# Altium PCB SI941C.PcbDoc (part 1 of 3) (continued)
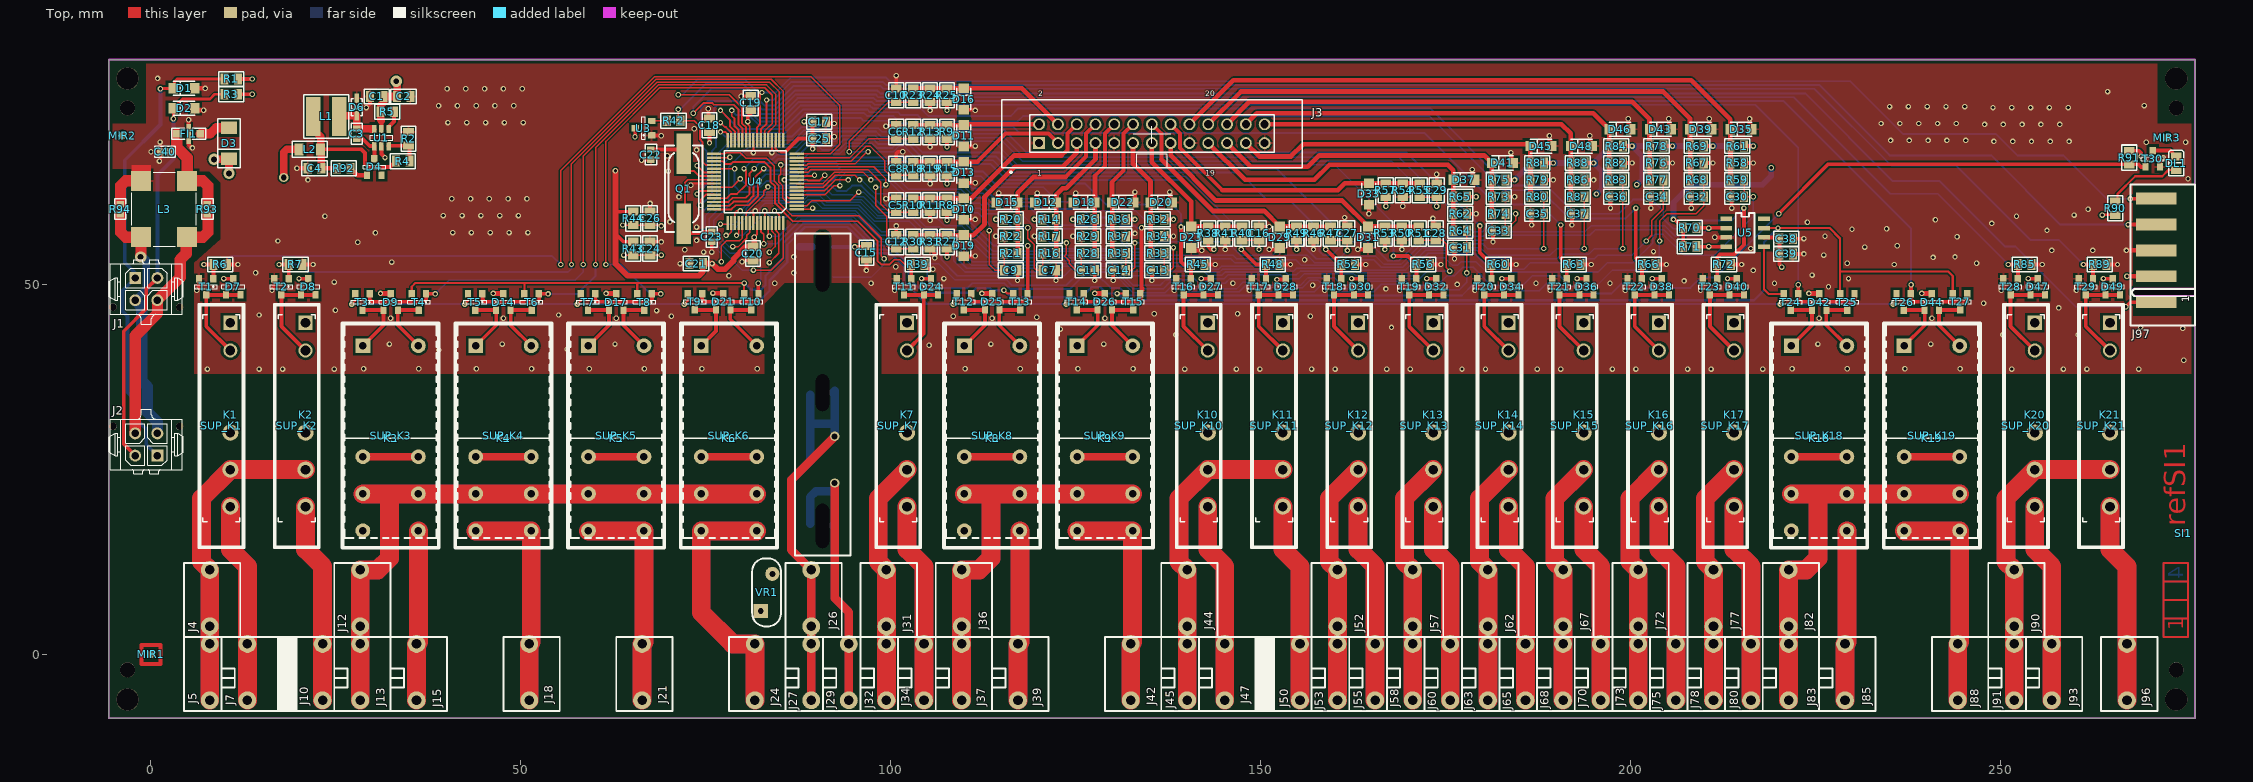
[diagram p0: Top view]
## Components (designator, comment, footprint, x,y, rotation, side; value= is the part's Value field where it differs from the comment) (continued)
K14 "RELAY_12VDC_1RT_34.51" RELAY_FINDER_34.51_+SUPPORT_93 182.245,30.88 r270 top
K15 "RELAY_12VDC_1RT_34.51" RELAY_FINDER_34.51_+SUPPORT_93 192.405,30.88 r270 top
K16 "RELAY_12VDC_1RT_34.51" RELAY_FINDER_34.51_+SUPPORT_93 202.565,30.88 r270 top
K17 "RELAY_12VDC_1RT_34.51" RELAY_FINDER_34.51_+SUPPORT_93 212.725,30.88 r270 top
K18 "RELAY_12VDC_1RT_BI_40.61.6" RELAY_FINDER_40.61_+SUPPORT_95 225.425,29.575 r0 top
K19 "RELAY_12VDC_1RT_BI_40.61.6" RELAY_FINDER_40.61_+SUPPORT_95 240.665,29.575 r0 top
K20 "RELAY_12VDC_1RT_34.51" RELAY_FINDER_34.51_+SUPPORT_93 253.365,30.88 r270 top
K21 "RELAY_12VDC_1RT_34.51" RELAY_FINDER_34.51_+SUPPORT_93 263.525,30.88 r270 top
L1 "SELF_10UH_1.19A_744043100" SELF_WE-TPC_4.8x4.78_(type4828) 23.685,72.707 r180 top
L2 "IND_FERRITE_1206_74279218" 1206_ReflowSoldering_FERRITE 21.463,68.263 r180 top
L3 "744272102" 744272102 1.778,60.198 r270 top
MIR1 "MIRE_PICK-N-PLACE" MIRE_PICK-N-PLACE_D1MM_VE3MM 0,0 r0 top
MIR2 "MIRE_PICK-N-PLACE" MIRE_PICK-N-PLACE_D1MM_VE3MM -3.873,70.104 r0 top
MIR3 "MIRE_PICK-N-PLACE" MIRE_PICK-N-PLACE_D1MM_VE3MM 272.415,69.85 r0 top
Q1 "QUARTZ_HC49/4HSMX_20M" QUARTZ_HC49_11.5X5_CMS 71.981,62.946 r270 top
R1 "RES_0805_1%_100PPM_0R" 0805_ReflowSoldering_RES 10.827,77.772 r180 top
R2 "RES_0805_1%_100PPM_9.1K" 0805_ReflowSoldering_RES 34.798,69.691 r270 top
R3 "RES_0805_1%_100PPM_0R" 0805_ReflowSoldering_RES 10.827,75.708 r180 top
R4 "RES_0805_1%_100PPM_47K" 0805_ReflowSoldering_RES 34.004,66.675 r180 top
R5 "RES_0805_1%_100PPM_10K" 0805_ReflowSoldering_RES 31.941,73.343 r180 top
R6 "RES_0805_1%_100PPM_10K" 0805_ReflowSoldering_RES 9.366,52.705 r180 top
R7 "RES_0805_1%_100PPM_10K" 0805_ReflowSoldering_RES 19.526,52.705 r180 top
R8 "RES_0805_1%_100PPM_10K" 0805_ReflowSoldering_RES 107.569,60.706 r270 top
R9 "RES_0805_1%_100PPM_10K" 0805_ReflowSoldering_RES 107.569,70.612 r270 top
R10 "RES_0805_1%_100PPM_22K" 0805_ReflowSoldering_RES 102.997,60.706 r270 top
R11 "RES_0805_1%_100PPM_6.8K" 0805_ReflowSoldering_RES 105.283,60.706 r90 top
R12 "RES_0805_1%_100PPM_22K" 0805_ReflowSoldering_RES 102.997,70.612 r270 top
R13 "RES_0805_1%_100PPM_6.8K" 0805_ReflowSoldering_RES 105.283,70.612 r90 top
R14 "RES_0805_1%_100PPM_10K" 0805_ReflowSoldering_RES 121.412,58.801 r180 top
R15 "RES_0805_1%_100PPM_10K" 0805_ReflowSoldering_RES 107.569,65.659 r270 top
R16 "RES_0805_1%_100PPM_22K" 0805_ReflowSoldering_RES 121.412,54.229 r180 top
R17 "RES_0805_1%_100PPM_6.8K" 0805_ReflowSoldering_RES 121.412,56.515 r0 top
R18 "RES_0805_1%_100PPM_22K" 0805_ReflowSoldering_RES 102.997,65.659 r270 top
R19 "RES_0805_1%_100PPM_6.8K" 0805_ReflowSoldering_RES 105.283,65.659 r90 top
R20 "RES_0805_1%_100PPM_10K" 0805_ReflowSoldering_RES 116.205,58.801 r180 top
R21 "RES_0805_1%_100PPM_22K" 0805_ReflowSoldering_RES 116.205,54.229 r180 top
R22 "RES_0805_1%_100PPM_6.8K" 0805_ReflowSoldering_RES 116.205,56.515 r0 top
R23 "RES_0805_1%_100PPM_22K" 0805_ReflowSoldering_RES 102.997,75.565 r270 top
R24 "RES_0805_1%_100PPM_6.8K" 0805_ReflowSoldering_RES 105.283,75.565 r90 top
R25 "RES_0805_1%_100PPM_10K" 0805_ReflowSoldering_RES 107.569,75.565 r270 top
R26 "RES_0805_1%_100PPM_10K" 0805_ReflowSoldering_RES 126.619,58.801 r180 top
R27 "RES_0805_1%_100PPM_10K" 0805_ReflowSoldering_RES 107.569,55.753 r270 top
R28 "RES_0805_1%_100PPM_22K" 0805_ReflowSoldering_RES 126.619,54.229 r180 top
R29 "RES_0805_1%_100PPM_6.8K" 0805_ReflowSoldering_RES 126.619,56.515 r0 top
R30 "RES_0805_1%_100PPM_22K" 0805_ReflowSoldering_RES 102.997,55.753 r270 top
R31 "RES_0805_1%_100PPM_6.8K" 0805_ReflowSoldering_RES 105.283,55.753 r90 top
R32 "RES_0805_1%_100PPM_10K" 0805_ReflowSoldering_RES 136.017,58.801 r0 top
R33 "RES_0805_1%_100PPM_22K" 0805_ReflowSoldering_RES 136.017,54.229 r0 top
R34 "RES_0805_1%_100PPM_6.8K" 0805_ReflowSoldering_RES 136.017,56.515 r180 top
R35 "RES_0805_1%_100PPM_22K" 0805_ReflowSoldering_RES 130.81,54.229 r0 top
R36 "RES_0805_1%_100PPM_10K" 0805_ReflowSoldering_RES 130.81,58.801 r0 top
R37 "RES_0805_1%_100PPM_6.8K" 0805_ReflowSoldering_RES 130.81,56.515 r180 top
R38 "RES_0805_1%_100PPM_10K" 0805_ReflowSoldering_RES 142.875,56.896 r270 top
R39 "RES_0805_1%_100PPM_10K" 0805_ReflowSoldering_RES 103.632,52.705 r180 top
R40 "RES_0805_1%_100PPM_22K" 0805_ReflowSoldering_RES 147.447,56.896 r270 top
R41 "RES_0805_1%_100PPM_6.8K" 0805_ReflowSoldering_RES 145.161,56.896 r90 top
R42 "RES_0805_1%_100PPM_1K" 0805_ReflowSoldering_RES 70.612,72.136 r0 top
R43 "RES_0805_1%_100PPM_10K" 0805_ReflowSoldering_RES 65.151,54.864 r90 top
R44 "RES_0805_1%_100PPM_10K" 0805_ReflowSoldering_RES 65.151,58.928 r90 top
R45 "RES_0805_1%_100PPM_10K" 0805_ReflowSoldering_RES 141.446,52.705 r180 top
R46 "RES_0805_1%_100PPM_6.8K" 0805_ReflowSoldering_RES 157.099,56.896 r90 top
R47 "RES_0805_1%_100PPM_22K" 0805_ReflowSoldering_RES 159.385,56.896 r270 top
R48 "RES_0805_1%_100PPM_10K" 0805_ReflowSoldering_RES 151.606,52.705 r180 top
R49 "RES_0805_1%_100PPM_10K" 0805_ReflowSoldering_RES 154.813,56.896 r270 top
R50 "RES_0805_1%_100PPM_6.8K" 0805_ReflowSoldering_RES 169.037,56.896 r90 top
R51 "RES_0805_1%_100PPM_22K" 0805_ReflowSoldering_RES 171.323,56.896 r270 top
R52 "RES_0805_1%_100PPM_10K" 0805_ReflowSoldering_RES 161.766,52.705 r180 top
R53 "RES_0805_1%_100PPM_10K" 0805_ReflowSoldering_RES 166.751,56.896 r270 top
R54 "RES_0805_1%_100PPM_6.8K" 0805_ReflowSoldering_RES 169.164,62.738 r90 top
R55 "RES_0805_1%_100PPM_22K" 0805_ReflowSoldering_RES 171.45,62.738 r270 top
R56 "RES_0805_1%_100PPM_10K" 0805_ReflowSoldering_RES 171.926,52.705 r180 top
R57 "RES_0805_1%_100PPM_10K" 0805_ReflowSoldering_RES 166.878,62.738 r270 top
R58 "RES_0805_1%_100PPM_6.8K" 0805_ReflowSoldering_RES 214.376,66.421 r180 top
R59 "RES_0805_1%_100PPM_22K" 0805_ReflowSoldering_RES 214.376,64.135 r0 top
R60 "RES_0805_1%_100PPM_10K" 0805_ReflowSoldering_RES 182.086,52.705 r180 top
R61 "RES_0805_1%_100PPM_10K" 0805_ReflowSoldering_RES 214.376,68.707 r0 top
R62 "RES_0805_1%_100PPM_6.8K" 0805_ReflowSoldering_RES 176.911,59.563 r180 top
R63 "RES_0805_1%_100PPM_10K" 0805_ReflowSoldering_RES 192.246,52.705 r180 top
R64 "RES_0805_1%_100PPM_22K" 0805_ReflowSoldering_RES 176.911,57.277 r0 top
R65 "RES_0805_1%_100PPM_10K" 0805_ReflowSoldering_RES 176.911,61.849 r0 top
R66 "RES_0805_1%_100PPM_10K" 0805_ReflowSoldering_RES 202.406,52.705 r180 top
R67 "RES_0805_1%_100PPM_6.8K" 0805_ReflowSoldering_RES 208.915,66.421 r180 top
R68 "RES_0805_1%_100PPM_22K" 0805_ReflowSoldering_RES 208.915,64.135 r0 top
R69 "RES_0805_1%_100PPM_10K" 0805_ReflowSoldering_RES 208.915,68.707 r0 top
R70 "RES_0805_1%_100PPM_10K" 0805_ReflowSoldering_RES 207.962,57.671 r180 top
R71 "RES_0805_1%_100PPM_10K" 0805_ReflowSoldering_RES 207.962,55.131 r180 top
R72 "RES_0805_1%_100PPM_10K" 0805_ReflowSoldering_RES 212.566,52.705 r180 top
R73 "RES_0805_1%_100PPM_6.8K" 0805_ReflowSoldering_RES 182.118,61.849 r180 top
R74 "RES_0805_1%_100PPM_22K" 0805_ReflowSoldering_RES 182.118,59.563 r0 top
R75 "RES_0805_1%_100PPM_10K" 0805_ReflowSoldering_RES 182.118,64.135 r0 top
R76 "RES_0805_1%_100PPM_6.8K" 0805_ReflowSoldering_RES 203.454,66.421 r180 top
R77 "RES_0805_1%_100PPM_22K" 0805_ReflowSoldering_RES 203.454,64.135 r0 top
R78 "RES_0805_1%_100PPM_10K" 0805_ReflowSoldering_RES 203.454,68.707 r0 top
R79 "RES_0805_1%_100PPM_6.8K" 0805_ReflowSoldering_RES 187.325,64.135 r180 top
R80 "RES_0805_1%_100PPM_22K" 0805_ReflowSoldering_RES 187.325,61.849 r0 top
R81 "RES_0805_1%_100PPM_10K" 0805_ReflowSoldering_RES 187.325,66.421 r0 top
R82 "RES_0805_1%_100PPM_6.8K" 0805_ReflowSoldering_RES 197.993,66.421 r180 top
R83 "RES_0805_1%_100PPM_22K" 0805_ReflowSoldering_RES 197.993,64.135 r0 top
R84 "RES_0805_1%_100PPM_10K" 0805_ReflowSoldering_RES 197.993,68.707 r0 top
R85 "RES_0805_1%_100PPM_10K" 0805_ReflowSoldering_RES 253.206,52.705 r180 top
R86 "RES_0805_1%_100PPM_6.8K" 0805_ReflowSoldering_RES 192.786,64.135 r180 top
R87 "RES_0805_1%_100PPM_22K" 0805_ReflowSoldering_RES 192.786,61.849 r0 top
R88 "RES_0805_1%_100PPM_10K" 0805_ReflowSoldering_RES 192.786,66.421 r0 top
R89 "RES_0805_1%_100PPM_10K" 0805_ReflowSoldering_RES 263.366,52.705 r180 top
R90 "RES_0805_1%_100PPM_1K" 0805_ReflowSoldering_RES 265.43,60.325 r90 top
R91 "RES_0805_1%_100PPM_10K" 0805_ReflowSoldering_RES 267.335,67.151 r90 top
R92 "RES_0805_1%_100PPM_0R" 0805_ReflowSoldering_RES 26.029,65.722 r180 top
R93 "RES_0603_1%_100PPM_0R" 0603_ReflowSoldering_RES 7.62,60.198 r270 top (schematic designator R79)
R94 "RES_0603_1%_100PPM_0R" 0603_ReflowSoldering_RES -4.144,60.201 r270 top (schematic designator R80)
SI1 "SI941C" CIRCUIT_IMPRIME_SI_STD 274.637,16.351 r90 top
SUP_K1 "RELAY-SUPPORT_93.11" RELAY-SUPPORT_FINDER_SERIE93 9.525,30.88 r90 top
SUP_K2 "RELAY-SUPPORT_93.11" RELAY-SUPPORT_FINDER_SERIE93 19.685,30.88 r90 top
SUP_K3 "RELAY-SUPPORT_95.15.2" RELAY-SUPPORT_FINDER_SERIE95 32.385,29.575 r0 top
SUP_K4 "RELAY-SUPPORT_95.15.2" RELAY-SUPPORT_FINDER_SERIE95 47.625,29.575 r0 top
SUP_K5 "RELAY-SUPPORT_95.15.2" RELAY-SUPPORT_FINDER_SERIE95 62.865,29.575 r0 top
SUP_K6 "RELAY-SUPPORT_95.15.2" RELAY-SUPPORT_FINDER_SERIE95 78.105,29.575 r0 top locked
SUP_K7 "RELAY-SUPPORT_93.11" RELAY-SUPPORT_FINDER_SERIE93 100.965,30.88 r90 top
SUP_K8 "RELAY-SUPPORT_95.15.2" RELAY-SUPPORT_FINDER_SERIE95 113.665,29.575 r0 top
SUP_K9 "RELAY-SUPPORT_95.15.2" RELAY-SUPPORT_FINDER_SERIE95 128.905,29.575 r0 top
SUP_K10 "RELAY-SUPPORT_93.11" RELAY-SUPPORT_FINDER_SERIE93 141.605,30.88 r90 top
SUP_K11 "RELAY-SUPPORT_93.11" RELAY-SUPPORT_FINDER_SERIE93 151.765,30.88 r90 top
SUP_K12 "RELAY-SUPPORT_93.11" RELAY-SUPPORT_FINDER_SERIE93 161.925,30.88 r90 top
SUP_K13 "RELAY-SUPPORT_93.11" RELAY-SUPPORT_FINDER_SERIE93 172.085,30.88 r90 top
SUP_K14 "RELAY-SUPPORT_93.11" RELAY-SUPPORT_FINDER_SERIE93 182.245,30.88 r90 top
SUP_K15 "RELAY-SUPPORT_93.11" RELAY-SUPPORT_FINDER_SERIE93 192.405,30.88 r90 top
SUP_K16 "RELAY-SUPPORT_93.11" RELAY-SUPPORT_FINDER_SERIE93 202.565,30.88 r90 top
SUP_K17 "RELAY-SUPPORT_93.11" RELAY-SUPPORT_FINDER_SERIE93 212.725,30.88 r90 top
SUP_K18 "RELAY-SUPPORT_95.15.2" RELAY-SUPPORT_FINDER_SERIE95 225.425,29.575 r180 top
SUP_K19 "RELAY-SUPPORT_95.15.2" RELAY-SUPPORT_FINDER_SERIE95 240.665,29.575 r180 top
SUP_K20 "RELAY-SUPPORT_93.11" RELAY-SUPPORT_FINDER_SERIE93 253.365,30.88 r90 top
SUP_K21 "RELAY-SUPPORT_93.11" RELAY-SUPPORT_FINDER_SERIE93 263.525,30.88 r90 top
T1 "ZXMN3A01F" SOT23_3L_ReflowSoldering#2 7.461,49.689 r90 top
T2 "ZXMN3A01F" SOT23_3L_ReflowSoldering#2 17.621,49.689 r90 top
T3 "ZXMN3A01F" SOT23_3L_ReflowSoldering#2 28.575,47.625 r90 top
T4 "ZXMN3A01F" SOT23_3L_ReflowSoldering#2 36.195,47.625 r90 top
T5 "ZXMN3A01F" SOT23_3L_ReflowSoldering#2 43.815,47.625 r90 top
T6 "ZXMN3A01F" SOT23_3L_ReflowSoldering#2 51.435,47.625 r90 top
T7 "ZXMN3A01F" SOT23_3L_ReflowSoldering#2 59.055,47.625 r90 top
T8 "ZXMN3A01F" SOT23_3L_ReflowSoldering#2 66.675,47.625 r90 top
T9 "ZXMN3A01F" SOT23_3L_ReflowSoldering#2 73.501,47.67 r90 top
T10 "ZXMN3A01F" SOT23_3L_ReflowSoldering#2 81.121,47.67 r90 top
T11 "ZXMN3A01F" SOT23_3L_ReflowSoldering#2 101.759,49.689 r90 top
T12 "ZXMN3A01F" SOT23_3L_ReflowSoldering#2 109.855,47.67 r90 top
T13 "ZXMN3A01F" SOT23_3L_ReflowSoldering#2 117.475,47.67 r90 top
T14 "ZXMN3A01F" SOT23_3L_ReflowSoldering#2 125.095,47.67 r90 top
T15 "ZXMN3A01F" SOT23_3L_ReflowSoldering#2 132.715,47.67 r90 top
T16 "ZXMN3A01F" SOT23_3L_ReflowSoldering#2 139.541,49.689 r90 top
T17 "ZXMN3A01F" SOT23_3L_ReflowSoldering#2 149.701,49.689 r90 top
T18 "ZXMN3A01F" SOT23_3L_ReflowSoldering#2 159.861,49.689 r90 top
T19 "ZXMN3A01F" SOT23_3L_ReflowSoldering#2 170.021,49.689 r90 top
T20 "ZXMN3A01F" SOT23_3L_ReflowSoldering#2 180.181,49.689 r90 top
T21 "ZXMN3A01F" SOT23_3L_ReflowSoldering#2 190.341,49.689 r90 top
T22 "ZXMN3A01F" SOT23_3L_ReflowSoldering#2 200.501,49.689 r90 top
T23 "ZXMN3A01F" SOT23_3L_ReflowSoldering#2 210.661,49.689 r90 top
T24 "ZXMN3A01F" SOT23_3L_ReflowSoldering#2 221.615,47.625 r90 top
T25 "ZXMN3A01F" SOT23_3L_ReflowSoldering#2 229.235,47.625 r90 top
T26 "ZXMN3A01F" SOT23_3L_ReflowSoldering#2 236.855,47.625 r90 top
T27 "ZXMN3A01F" SOT23_3L_ReflowSoldering#2 244.475,47.67 r90 top
T28 "ZXMN3A01F" SOT23_3L_ReflowSoldering#2 251.301,49.689 r90 top
T29 "ZXMN3A01F" SOT23_3L_ReflowSoldering#2 261.461,49.689 r90 top
T30 "ZXMN3A01F" SOT23_3L_ReflowSoldering#2 270.51,66.992 r270 top
U1 "LMR12010YMK" SOT23_6L 31.147,69.85 r270 top
U2 "SC943-0C" SI943C_REV_A 90.742,13.38 r90 top locked
U3 "NCP803SN308T1G" SOT23_3L_ReflowSoldering#2 66.548,71.12 r0 top
U4 "PIC16F946-I/PT" QFP_064_E0,50_10X10MM 81.665,63.898 r180 top
U5 "MIC4426YM" SOIC_08_E1,27_L150_ReflowSoldering 215.424,56.991 r270 top
VR1 "VDR_820572711" VDR_Serie_820_d7_h13_e5mm 83.185,8.398 r90 top

## Footprints (in the part's own frame and the unit in brackets; to place one, negate y for a bottom-side part, rotate by r counter-clockwise, add the part's x,y. Pads: shape width x height; smd on the part's side, far side on the other; paste and mask are expansions set on the pad)
0603_ReflowSoldering_CAP [mil]
  rect 35x40 smd paste-5: 1(-26.4,0) 2(26.4,0)
  silkscreen extent -55,-30 55,30, body extent -31,-16 32,16, height 35
0603_ReflowSoldering_RES [mil]
  rect 35x40 smd paste-5: 1(-26.4,0) 2(26.4,0)
  silkscreen extent -55,-30 55,30, body extent -31,-16 31,16, height 22
0805_ReflowSoldering_CAP [mil]
  rect 43x57 smd paste-3: 1(-36,0) 2(36,0)
  silkscreen extent -67,-39 67,39, body extent -39,-25 39,25, height 39
0805_ReflowSoldering_RES [mil]
  rect 43x57 smd paste-3: 1(-36,0) 2(36,0)
  silkscreen extent -67,-39 67,39, body extent -91,-25 39,53, height 31
1206_ReflowSoldering_FERRITE [mil]
  rect 47x63 smd paste-3: 1(-57.09,0) 2(57.09,0)
  silkscreen extent -92,-43 92,43, body extent -63,-31 63,31, height 39
744272102 [mm] "IND_FERRITE_WE-SL5_2X1000UH"
  rect 2.7x2.7 smd mask+0.064: 1(-3.81,3.11) 2(3.81,3.11) 3(3.81,-3.11) 4(-3.81,-3.11)
  silkscreen extent -5,-4.35 5,4.35, body extent -5,-4.35 5,4.35, height 6.01
BRESS_FFKDS/V2-5,08_P1.3 [mm]
  round 2.413 hole 1.3: 1(3.5,1.43) 2(3.5,9.05)
  silkscreen extent 0,0 6.88,10, body extent 0,0 6.88,10, height 15.8
BRESS_FFKDSA1/V2-7,62_P1.3 [mm]
  round 2.413 hole 1.3: 1(3.5,1.43) 2(3.5,9.05)
  silkscreen extent 0,0 7.62,10, body extent 0,0 7.62,10, height 15.85
BRESS_FFKDSA/V2-7,62_P1.3 [mm]
  round 2.413 hole 1.3: 1(3.5,1.43) 2(3.5,9.05)
  silkscreen extent 0,0 9.42,10, body extent 0,0 9.42,10, height 15.8
CIRCUIT_IMPRIME_SI_STD [mm]
DO214BA-P [mil]
  rect 66x86 smd paste-3: A(82.68,0) K(-82.68,0)
  silkscreen extent -130,-60 130,60, body extent -103,-51 103,51, height 114
DO219AB-SMF-P_ReflowSoldering [mm]
  rect 1.3x1.4 smd paste-0.076: A(1.45,0) K(-1.45,0)
  silkscreen extent -1.45,-0.95 1.45,0.95, body extent -1.45,-0.95 1.45,0.95, height 0.99
EMB_ZEC_1893711_HOTE_NOBOTT [mm]
  rect 1.6x5.5 smd paste-25.4: 1(-7,0) 2(-3.5,0) 3(0,0) 4(3.5,0) 5(7,0)
  Top pour cut-out: -8.89,3.175 8.89,3.175 8.89,-5.715 -8.89,-5.715
  Bottom pour cut-out: -8.89,3.175 8.89,3.175 8.89,-5.715 -8.89,-5.715
  silkscreen extent -10.14,-5.25 8.89,3.45
IDC2P54_26P [mm] "Connector; Header; 13x2 Position"
  rect 1.6x1.6 hole 1.1 mask+0.051: 1(-15.24,-1.27)
  round 1.6 hole 1.1 mask+0.051: 2(-15.24,1.27) 3(-12.7,-1.27) 4(-12.7,1.27) 5(-10.16,-1.27) 6(-10.16,1.27) 7(-7.62,-1.27) 8(-7.62,1.27) 9(-5.08,-1.27) 10(-5.08,1.27) 11(-2.54,-1.27) 12(-2.54,1.27) 13(0,-1.27) 14(0,1.27) 15(2.54,-1.27) 16(2.54,1.27) 17(5.08,-1.27) 18(5.08,1.27) 19(7.62,-1.27) 20(7.62,1.27) 21(10.16,-1.27) 22(10.16,1.27) 23(12.7,-1.27) 24(12.7,1.27) 25(15.24,-1.27) 26(15.24,1.27)
  silkscreen extent -20.32,-5.33 20.32,4.6, body extent -20.34,-4.55 20.34,4.55, height 8.86
LED_0805_KPx_Green [mil]
  rect 43x57 smd paste-3: A(36,0) K(-36,0)
  silkscreen extent -69,-39 67,39, body extent -40,-25 40,25, height 43
MICRO-MATE-N-LOK_WURTH+TYCO_2X02_D [mm]
  rect 1.6x1.6 hole 1: 1(1.5,-1.5)
  round 1.6 hole 1: 2(-1.5,-1.5) 3(1.5,1.5) 4(-1.5,1.5)
  round 1 hole 1 unplated: FIX1(-4.5,2.44) FIX2(4.5,2.44)
  silkscreen extent -5,-3.94 5,4.73, body extent -5,-3.94 5,4.73, height 9.3
MIRE_PICK-N-PLACE_D1MM_VE3MM [mm]
  round 1 smd paste-25.4 mask+1: 1(0,0)
NFE31P [mil]
  rect 40x40 smd paste-3: 1(-62.5,0) 3(62.5,0)
  rect 24x106 smd paste-3 mask+4: 2(0,0)
  silkscreen extent -90,-30 90,30
QFP_064_E0,50_10X10MM [mm]
  rect 1.905x0.33 smd paste-0.076 mask+0.102: 1(-5.6,3.75) 2(-5.6,3.25) 3(-5.6,2.75) 4(-5.6,2.25) 5(-5.6,1.75) 6(-5.6,1.25) 7(-5.6,0.75) 8(-5.6,0.25) 9(-5.6,-0.25) 10(-5.6,-0.75) 11(-5.6,-1.25) 12(-5.6,-1.75) 13(-5.6,-2.25) 14(-5.6,-2.75) 15(-5.6,-3.25) 16(-5.6,-3.75) 33(5.6,-3.75) 34(5.6,-3.25) 35(5.6,-2.75) 36(5.6,-2.25) 37(5.6,-1.75) 38(5.6,-1.25) 39(5.6,-0.75) 40(5.6,-0.25) 41(5.6,0.25) 42(5.6,0.75) 43(5.6,1.25) 44(5.6,1.75) 45(5.6,2.25) 46(5.6,2.75) 47(5.6,3.25) 48(5.6,3.75)
  rect 0.33x1.905 smd paste-0.076 mask+0.102: 17(-3.75,-5.6) 18(-3.25,-5.6) 19(-2.75,-5.6) 20(-2.25,-5.6) 21(-1.75,-5.6) 22(-1.25,-5.6) 23(-0.75,-5.6) 24(-0.25,-5.6) 25(0.25,-5.6) 26(0.75,-5.6) 27(1.25,-5.6) 28(1.75,-5.6) 29(2.25,-5.6) 30(2.75,-5.6) 31(3.25,-5.6) 32(3.75,-5.6) 49(3.75,5.6) 50(3.25,5.6) 51(2.75,5.6) 52(2.25,5.6) 53(1.75,5.6) 54(1.25,5.6) 55(0.75,5.6) 56(0.25,5.6) 57(-0.25,5.6) 58(-0.75,5.6) 59(-1.25,5.6) 60(-1.75,5.6) 61(-2.25,5.6) 62(-2.75,5.6) 63(-3.25,5.6) 64(-3.75,5.6)
  silkscreen extent -4.19,-4.19 4.19,4.19, body extent -6,-6 6.02,6.02, height 1.1
QUARTZ_HC49_11.5X5_CMS [mil] "HC49/4H SMX"
  rect 216x77 smd paste-3: 1(-187.01,0) 2(187.01,0)
  silkscreen extent -230,-100 230,100, body extent -264,-96 264,96, height 200
RELAY-SUPPORT_FINDER_SERIE93 [mm]
  silkscreen extent -16.5,-3.1 16.5,3.1
RELAY-SUPPORT_FINDER_SERIE95 [mm]
  silkscreen extent -6.5,-15.15 6.5,15.15, body extent -6.5,-15.15 6.5,15.15, height 9.5
RELAY_FINDER_34.51_+SUPPORT_93 [mm]
  round 2.2 hole 1.3: 11(5.9,1.2) 12(0.9,1.2) 14(10.9,1.2)
  round 1.9 hole 1.3: A1(-10.2,1.2)
  rect 1.9x1.9 hole 1.3: A2(-13.95,1.2)
  silkscreen extent -16.5,-3.1 16.5,3.1, body extent -16.42,-3.1 16.58,3.1, height 28.9
RELAY_FINDER_40.61_+SUPPORT_95 [mm]
  round 2 hole 1: 11(-3.75,-7.85) 12(-3.75,-2.85) 14(-3.75,-12.85) 21(3.75,-7.85) 22(3.75,-2.85) 24(3.75,-12.85) A2(3.75,12.15)
  rect 2x2 hole 1: A1(-3.75,12.15)
  silkscreen extent -6.5,-15.15 6.5,15.15, body extent -6.5,-15.15 6.5,15.15, height 34.5
SELF_WE-TPC_4.8x4.78_(type4828) [mm]
  rect 2x5.3 smd paste-0.102: 1(-1.75,0) 2(1.75,0)
  silkscreen extent -3.05,-2.92 3.05,2.92, body extent -2.4,-2.4 2.4,2.4, height 2.79
SI943C_REV_A [mm] "créé par FB (17/06/13) = copie de SI943B_REV_B + Step 3d MAJ"
  rect 0x0 hole 1.8 slot 6 at 0 deg unplated paste-25.4: 1(4,0)
  rrect40% 3.5x1.69 smd far side: 1TR(22,-1.405) 2TR(22,1.405) 3TR(4,-1.405) 4TR(4,1.405)
  rrect40% 2.4x1.69 smd far side: 1UC(41.7,-1.405) 2UC(37.7,-1.405)
  rect 0x0 hole 1.8 slot 5 at 0 deg unplated paste-25.4: 3(22,0)
  rrect40% 3x1.69 smd far side: 3UC(41.7,1.405)
  rect 0x0 hole 1.8 slot 8.1 at 0 deg unplated paste-25.4: 4(39.7,0)
  Top pour cut-out: -4.5,7.9 34.01,7.9 36.83,5.08 36.83,-5.08 33.91,-8 -4.5,-8
  MidLayer1 pour cut-out: -4.5,7.9 34.01,7.9 36.83,5.08 36.83,-5.08 33.91,-8 -4.5,-8
  MidLayer2 pour cut-out: -4.5,7.9 34.01,7.9 36.83,5.08 36.83,-5.08 33.91,-8 -4.5,-8
  Bottom pour cut-out: -4.5,7.9 34.01,7.9 36.83,5.08 36.83,-5.08 33.91,-8 -4.5,-8
  Bottom pour cut-out: 43.561,-2.667 36.83,-2.667 36.83,2.413 40.513,2.413 40.513,0.635 43.561,0.635
  silkscreen extent 0,-3.81 43.5,3.7, body extent 0.01,-3.46 43.52,3.15, height 13.43
SOD323_ReflowSoldering [mm]
  rect 1.27x0.61 smd paste-0.076: A(1.175,0) K(-1.175,0)
  silkscreen extent -1.14,-0.76 1.14,0.76, body extent -1.3,-0.67 1.3,0.68, height 1.1
SOIC_08_E1,27_L150_ReflowSoldering [mil]
  rect 24x63 smd paste-3: 1(-75,-100) 2(-25,-100) 3(25,-100) 4(75,-100) 5(75,100) 6(25,100) 7(-25,100) 8(-75,100)
  silkscreen extent -105,-50 105,50, body extent -98,-122 98,122, height 69
SOT23_3L_ReflowSoldering#1 [mil]
  rect 40x32 smd paste-3: 1(43.31,-38.39) 2(43.31,38.39)
  rect 40x34 smd paste-3: 3(-43.31,0)
  silkscreen extent -10,-60 10,60, body extent -55,-57 55,57, height 41
SOT23_3L_ReflowSoldering#2 [mil]
  rect 40x34 smd paste-3: 1(43.31,-38.39) 2(43.31,38.39) 3(-43.31,0)
  silkscreen extent -10,-60 10,60, body extent -55,-57 55,57, height 41
SOT23_6L [mil]
  rect 44x24 smd paste-3: 1(45.28,-37.4) 2(45.3,0) 3(45.28,37.4) 4(-45.28,37.4) 5(-45.28,0) 6(-45.28,-37.4)
  silkscreen extent -13,-60 14,60, body extent -59,-59 59,59, height 51
VDR_Serie_820_d7_h13_e5mm [mm]
  rect 1.905x1.905 hole 0.8: 1(-2.5,0.78)
  round 1.905 hole 0.8: 2(2.5,-0.78)
  silkscreen extent -4.6,-1.94 4.6,1.94, body extent -4.49,-1.79 4.49,1.79, height 13.48

## Part data
C1 C5 C6 C7 C8 C9 C10 C11 C12 C13 C14 C15 C16 C17 C18 C19 C20 C21 C25 C27 C28 C29 C30 C31 C32 C33 C34 C35 C36 C37 C38: "Condensateur céramique, X7R, 10%, CMS 0805"
C2 C4 C39: "Condensateur céramique, X5R, 10%, CMS 0805"
C3: "Condensateur céramique, X7R, 10%, CMS 0603"
C22 C23: "Condensateur céramique, NPO, 5%, CMS 0603, 18pF/50V"
C24 C26: "Condensateur céramique, NPO, 5%, CMS 0805"
C40: "Multilayer Ceramic Capacitors MLCC - SMD/SMT 50volts 220pF C0G 5%"
D1 D2 D10 D11 D12 D13 D15 D16 D18 D19 D20 D22 D23 D29 D31 D33 D35 D37 D39 D41 D43 D45 D46 D48: "Diode Transil/TVS unidirectionnelle (A), 200W, 5V, CMS"
D3: "Diode de Redressement, Vrrm=100V, If=1A, Vf=1.1V, CMS"
D4 D7 D8 D9 D14 D17 D21 D24 D25 D26 D27 D28 D30 D32 D34 D36 D38 D40 D42 D44 D47 D49: "Diode Schottky double, BAT54 cathode com, Vrrm=30V, If=300mA, Vf=0.4Vmax, CMS"
D6: "Diode Schottky, Vrrm=20V, If=2A, Vf=450V, CMS"
DL1: "LED CMS 0805, Vert, Vf 2.5V@20mA (4-15mCd), 525nm, vue 120°"
FI1: "Filtre EMI selfique-capacitif, -20/+50%, 25Vcc/6A, -40/+85°C, 220pF"
J1 J2: "Embase type Micro Mate-n-Lok, e3mm, 4pts, droit, cont. étamés 20mR, 250V/5A, Iso 1500V, -40/+105°C"
J3: library part "Header 13X2", "26 Positions Header, Shrouded Connector 0.100\" (2.54mm) Through Hole Gold"
J4 J7 J12 J15 J18 J21 J26 J31 J36 J39 J44 J47 J52 J57 J62 J67 J72 J77 J82 J85 J90 J93 J96: "Bornier à connexion par ressorts/déconnexion par levier, série FFKDSA1/V2, e7.62, 1x1pts, droit, juxtaposable, 500V/17.5A, AWG22~16, Vert/Orange"
J5 J10 J27 J29 J32 J34 J45 J50 J53 J55 J58 J60 J63 J65 J68 J70 J73 J75 J78 J80 J91: "Bornier à connexion par ressorts/déconnexion par levier, série FFKDS/V2, e5.08, 1x1pts, droit, juxtaposable, 320V/15A, AWG22~16, Vert/Orange"
J13 J24 J37 J42 J83 J88: "Bornier à connexion par ressorts/déconnexion par levier, série FFKDSA/V2, e7.62, 1x1pts, droit, juxtaposable, 500V/17.5A, AWG22~16, Vert/Orange"
J97: "Implantation CI pour connecteur ZEC 1,0/5-ST-3,5 C1 R1,5 (ref 1893711)"
K1 K2 K7 K10 K11 K12 K13 K14 K15 K16 K17 K20 K21: "Relais 1RT, 12Vdc, série 34.51, Rc=1940R, Sw:250Vac/6A, Ron=? (AgSnO2)"
K3 K4 K5 K6 K8 K9 K18 K19: "Relais 1RT, 12Vdc, série 40.61.6 (bistable), Rc=900R, Sw:250Vac/16A, Ron=? (AgSnO2)"
L1: "Inductance bobinée CMS, 10uH +/- 10%, I=1.19A, Rdc=0.095R, SRF=40MHz, -40/+85°C"
L2: "Inductance à ferrite multicouches CMS, imp=600R@100MHz, +/-25%, Rdc=100mR, I=2A"
L3: library part IND_FERRITE_WE-SL5_2X1000UH, "Common Mode Filters / Chokes WE-SL5 Bifilar 2x1000uH 950mA"
MIR1 MIR2 MIR3: "Mire pour machine de placement CMS \"Pick'n Place\""
Q1: "Quartz CMS série HCM49 (équiv HC49/US), -10/+60°C, +/-30ppm, 18pF"
R1 R2 R3 R4 R5 R6 R7 R8 R9 R10 R11 R12 R13 R14 R15 R16 R17 R18 R19 R20 R21 R22 R23 R24 R25 R26 R27 R28 R29 R30 R31 R32 R33 R34 R35 R36 R37 R38 R39 R40 R41 R42 R43 R44 R45 R46 R47 R48 R49 R50 R51 R52 R53 R54 R55 R56 R57 R58 R59 R60 R61 R62 R63 R64 R65 R66 R67 R68 R69 R70 R71 R72 R73 R74 R75 R76 R77 R78 R79 R80 R81 R82 R83 R84 R85 R86 R87 R88 R89 R90 R91 R92: "Résistance CMS 0805, 0.125W, 1%, 100ppm, 150V"
R93 R94: "Résistance, 0.100W, 1%, 100ppm, 75V, 0R"
SI1: library part CIRCUIT_IMPRIME_MODEL, "Circuit Imprimé"
SUP_K1 SUP_K2 SUP_K7 SUP_K10 SUP_K11 SUP_K12 SUP_K13 SUP_K14 SUP_K15 SUP_K16 SUP_K17 SUP_K20 SUP_K21: "Suppor série 93 pour relais Finder séries 34, 250V/6A, Bleu"
SUP_K3 SUP_K4 SUP_K5 SUP_K6 SUP_K8 SUP_K9 SUP_K18 SUP_K19: "Suppor série 95 pour relais Finder séries 40, 250V/10A, Bleu, sans Etrier"
T1 T2 T3 T4 T5 T6 T7 T8 T9 T10 T11 T12 T13 T14 T15 T16 T17 T18 T19 T20 T21 T22 T23 T24 T25 T26 T27 T28 T29 T30: "Transistor MOSN logique, Vdss=30V, Id=2A, Rdson=0.12R, CMS"
U1: "Régulateur ajustable step down, 0.8~20V, 1A, Vin=3~20V, -40/+125°C, CMS"
U2: "Carte gradateur"
U3: "Superviseur de Reset pour microcontrolleur 3.08V -Pin SOT-23, CMS"
U4: "Microcontrôleur 8bit"
U5: "Dual High-Speed 1.5A MOSFET Driver, CMS"
VR1: "Varistance disque 275Vac, 350Vdc, 33J, Vbreak=430V@1mA, Vclamp=710V@10A, Ipeak=1200A"

## Free pads (board coordinates)
  round 3 hole 3 unplated: 0(-3.175,-6.08) 0(-3.175,77.84) 0(273.685,-6.08) 0(273.685,77.84)
  round 2 hole 2 unplated: 0(-3.175,-2.08) 0(-3.175,73.84) 0(273.685,-2.08) 0(273.685,73.84)

## Via types
v1: diameter 0.737, hole 0.432, Top to Bottom, 503 vias
v2: diameter 1.524, hole 0.8, Top to Bottom, 4 vias
v3: diameter 1.27, hole 0.8, Top to Bottom, 3 vias

## Nets (pads, with @x,y where several pads share a name; then routed paths per layer and width w, separated by ;. In a path a pad name is that pad's centre, name@x,y a point inside that pad or via, vN(x,y) a via of type N, cw(c..) or ccw(c..) an arc to the next point about the centre after c; other vN are vias at no path point)
+5V: C15.1 C17.1 C18.2 C19.2 C20.2 C21.2 C25.2 J97.2 L2.2 R43.2 R44.2 R70.2 R71.2 R91.2 U2.1UC U3.3 U4.10 U4.19 U4.26 U4.38 U4.57 | length 123.9
  Top w0.254: v1(73.787,66.04) 74.679,65.148 U4.38@76.065,65.148 ; v1(80.645,72.009) 80.645,71.66 80.915,71.39 U4.26@80.915,69.498 ; v1(81.534,56.388) 81.915,56.769 U4.57@81.915,58.298 ; U4.19@84.415,69.498 84.415,68.366 84.836,67.945 85.217,67.945 ; U4.10@87.265,64.648 89.54,64.648 v1(89.662,64.77)
  Top w0.508: 62.763,56.871 63.856,55.778 R43.2@65.151,55.778 ; 62.763,59.842 R44.2@65.151,59.842 ; v1(65.405,69.977) 65.448,70.02 U3.3@65.448,71.12 ; v1(75.474,69.137) C18.2@75.474,70.604 ; v1(80.645,72.009) 80.645,72.735 81.28,73.37 C19.2@81.03,73.62 ; C20.2@81.347,55.097 C20.2@81.534,55.284 ; 85.217,67.945 85.725,67.945 87.503,69.723 C25.2@89.383,69.723 ; v1(88.265,72.009) C17.1@89.383,72.009 C25.2@89.383,69.723 ; v1(89.408,68.326) 89.383,68.351 C25.2@89.383,69.723 ; v1(95.091,55.086) 96.896,55.086 C15.1@96.679,55.303 ; v1(205.74,58.801) 205.918,58.801 R70.2@207.048,57.671 R71.2@207.048,55.131 ; R91.2@267.335,68.066 268.643,68.066 268.923,67.786 v1(268.923,67.31)
  Top w0.635: v1(267.017,51.117) 267.025,51.11 J97.2@270.975,51.11
  Top w0.762: v1(62.763,65.38) 62.763,59.842 62.763,56.871 62.763,52.807 64.389,51.181 74.041,51.181 74.574,51.714 C21.2@74.574,52.832 v1(75.819,52.832) 76.581,52.07 77.597,52.07 78.74,53.213 78.74,53.467 80.37,55.097 C20.2@81.347,55.097 ; C20.2@81.534,55.284 v1(81.534,56.388)
  Top w1.016: v3(17.939,64.453) 17.939,67.85 18.351,68.263 L2.2@20.013,68.263
  MidLayer1 w0.762: v1(81.534,56.388) 83.439,58.293 93.98,58.293 95.123,57.15 95.123,55.118 v1(95.091,55.086)
  Bottom w0.508: U2.1UC@92.147,55.08 v1@95.091,55.08
  Bottom w0.762: v1(205.74,58.801) 205.74,61.087 208.153,63.5 217.805,63.5 218.948,64.643 v1(218.948,65.786)
+12V: C1.1 C2.2 C38.1 C39.2 D3.K D7.3 D8.3 D9.3 D14.3 D17.3 D21.3 D24.3 D25.3 D26.3 D27.3 D28.3 D30.3 D32.3 D34.3 D36.3 D38.3 D40.3 D42.3 D44.3 D47.3 D49.3 K1.A2 K2.A2 K7.A2 K10.A2 K11.A2 K12.A2 K13.A2 K14.A2 K15.A2 K16.A2 K17.A2 K20.A2 K21.A2 R5.2 R8.2 R9.2 R14.2 R15.2 R20.2 R25.2 R26.2 R27.2 R32.2 R36.2 R38.2 R49.2 R53.2 R57.2 R61.2 R65.2 R69.2 R75.2 R78.2 R81.2 R84.2 R88.2 R90.1 U1.5 U5.6 | length 134.5
  Top w0.305: v1(263.684,59.372) 263.722,59.411 R90.1@265.43,59.411
  Top w0.508: v1(9.842,50.8) 9.854,50.789 D7.3@11.112,50.789 ; v1(20.002,50.8) 20.014,50.789 D8.3@21.273,50.789 ; U1.5@31.147,71 31.147,72.136 ; v1(104.14,50.8) 104.151,50.789 D24.3@105.41,50.789 ; v1(107.569,53.721) R27.2@107.569,54.839 ; v1(107.569,58.674) R8.2@107.569,59.792 ; v1(107.569,63.627) R15.2@107.569,64.745 ; v1(107.569,68.58) R9.2@107.569,69.698 ; v1(107.569,73.533) R25.2@107.569,74.651 ; v1(114.173,58.801) R20.2@115.291,58.801 ; v1(119.38,58.801) R14.2@120.498,58.801 ; v1(124.587,58.801) R26.2@125.705,58.801 ; R36.2@131.724,58.801 v1(132.969,58.801) ; R32.2@136.931,58.801 v1(138.176,58.801) ; v1(141.922,50.8) 141.934,50.789 D27.3@143.192,50.789 ; R38.2@142.875,55.982 142.875,55.118 143.256,54.737 v1(143.637,54.737) ; v1(152.146,50.673) 152.161,50.688 153.252,50.688 D28.3@153.352,50.789 ; v1(154.813,54.737) R49.2@154.813,55.982 ; v1(162.242,50.8) 162.254,50.789 D30.3@163.512,50.789 ; v1(166.751,54.737) R53.2@166.751,55.982 ; v1(166.878,60.579) R57.2@166.878,61.824 ; v1(172.402,50.8) 172.414,50.789 D32.3@173.672,50.789 ; R65.2@177.825,61.849 v1(179.07,61.849) ; v1(182.562,50.8) 182.574,50.789 D34.3@183.832,50.789 ; R75.2@183.032,64.135 v1(184.277,64.135) ; R81.2@188.239,66.421 v1(189.484,66.421) ; v1(192.722,50.8) 192.734,50.789 D36.3@193.992,50.789 ; R88.2@193.7,66.421 v1(194.945,66.421) ; R84.2@198.907,68.707 v1(200.152,68.707) ; v1(202.882,50.8) 202.894,50.789 D38.3@204.152,50.789 ; R78.2@204.368,68.707 v1(205.613,68.707) ; R69.2@209.829,68.707 v1(211.074,68.707) ; v1(213.042,50.8) 213.054,50.789 D40.3@214.312,50.789 ; R61.2@215.29,68.707 v1(216.535,68.707) ; U5.6@217.964,56.356 219.907,56.356 C38.1@220.066,56.197 C39.2@220.066,54.134 220.066,52.667 v1(220.385,52.348) ; v1(253.682,50.8) 253.694,50.789 D47.3@254.952,50.789 ; v1(263.842,50.8) 263.854,50.789 D49.3@265.113,50.789
  Top w0.635: v1(31.013,48.788) 32.367,48.788 D9.3@32.385,48.77 ; v1(46.253,48.788) 47.607,48.788 D14.3@47.625,48.77 ; v1(61.493,48.788) 62.847,48.788 D17.3@62.865,48.77 ; v1(75.94,48.833) 77.294,48.833 D21.3@77.311,48.815 ; v1(112.293,48.788) 113.647,48.788 D25.3@113.665,48.77 ; v1(127.533,48.788) 128.887,48.788 D26.3@128.905,48.77 ; v1(224.053,48.788) 225.407,48.788 D42.3@225.425,48.77 ; v1(239.293,48.788) 240.647,48.788 D44.3@240.665,48.77
  Top w1.016: v2@8.477,66.913 10.482,66.913 D3.K@10.541,66.972 v2@10.541,65.008 ; 31.147,72.136 31.026,72.257 R5.2@31.026,73.343 31.026,74.222 31.426,74.622 C1.1@31.426,75.406 C2.2@33.217,75.406 33.249,75.438 v2@33.249,76.987
  MidLayer1 w0.762: v1(107.569,58.674) v1(107.569,63.627) v1(107.569,68.58) v1(107.569,73.533)
  Bottom w0.762: v1(184.277,64.135) 186.563,66.421 v1(189.484,66.421) v1(194.945,66.421) ; v1(195.326,62.23) 196.088,62.992 196.088,65.278 v1(194.945,66.421) ; v1(200.787,63.5) 201.549,64.262 201.549,67.31 v1(200.152,68.707) ; v1(216.535,68.707) v1(211.074,68.707) v1(205.613,68.707) v1(200.152,68.707) ; v1(194.945,66.421) 197.231,68.707 v1(200.152,68.707)
  other v2: 10.541,65.024 8.509,66.913 33.147,77.47
+VBUS: J1.4 J2.4 L3.2 R93.2 | length 28.2
  Top w1.524: J2.4@-2.135,29.88 -2.135,43.077 0.865,46.077 J1.4@0.865,47.88 3.937,50.952 3.937,53.34 4.761,54.164 L3.2@4.761,55.245
+VIN: C40.2 FI1.1 L3.1 R93.1 | length 11.2
  Top w1: C40.2@2.576,67.945 2.921,67.945 3.492,68.516
  Top w1.524: FI1.1@3.492,70.358 3.492,68.516 4.888,67.121 ; 4.888,67.121 L3.1@4.888,64.008 4.888,67.121
\M\C\L\R\/VPP: J97.1 R42.2 U4.36 | length 230.8
  Top w0.203: 268.054,47.61 J97.1@270.975,47.61
  Top w0.254: v1(71.247,73.66) 71.247,72.415 R42.2@71.526,72.136 73.442,72.136 74.204,71.374 74.204,69.613 74.521,69.296 74.521,66.597 74.97,66.148 U4.36@76.065,66.148
  Top w0.508: v1(266.859,46.99) 267.479,47.61 J97.1@270.975,47.61
  Bottom w0.254: v1(71.247,73.66) 71.501,73.66 75.057,77.216 79.883,77.216 81.28,75.819 81.28,74.93 82.55,73.66 84.455,73.66 86.995,76.2 98.171,76.2 98.552,75.819 223.52,75.819 235.331,64.008 241.681,64.008 250.571,55.118 251.968,55.118 260.096,46.99 v1(266.859,46.99)